# Altium PCB MotorDriverV2.PcbDoc (part 1 of 2) (continued)
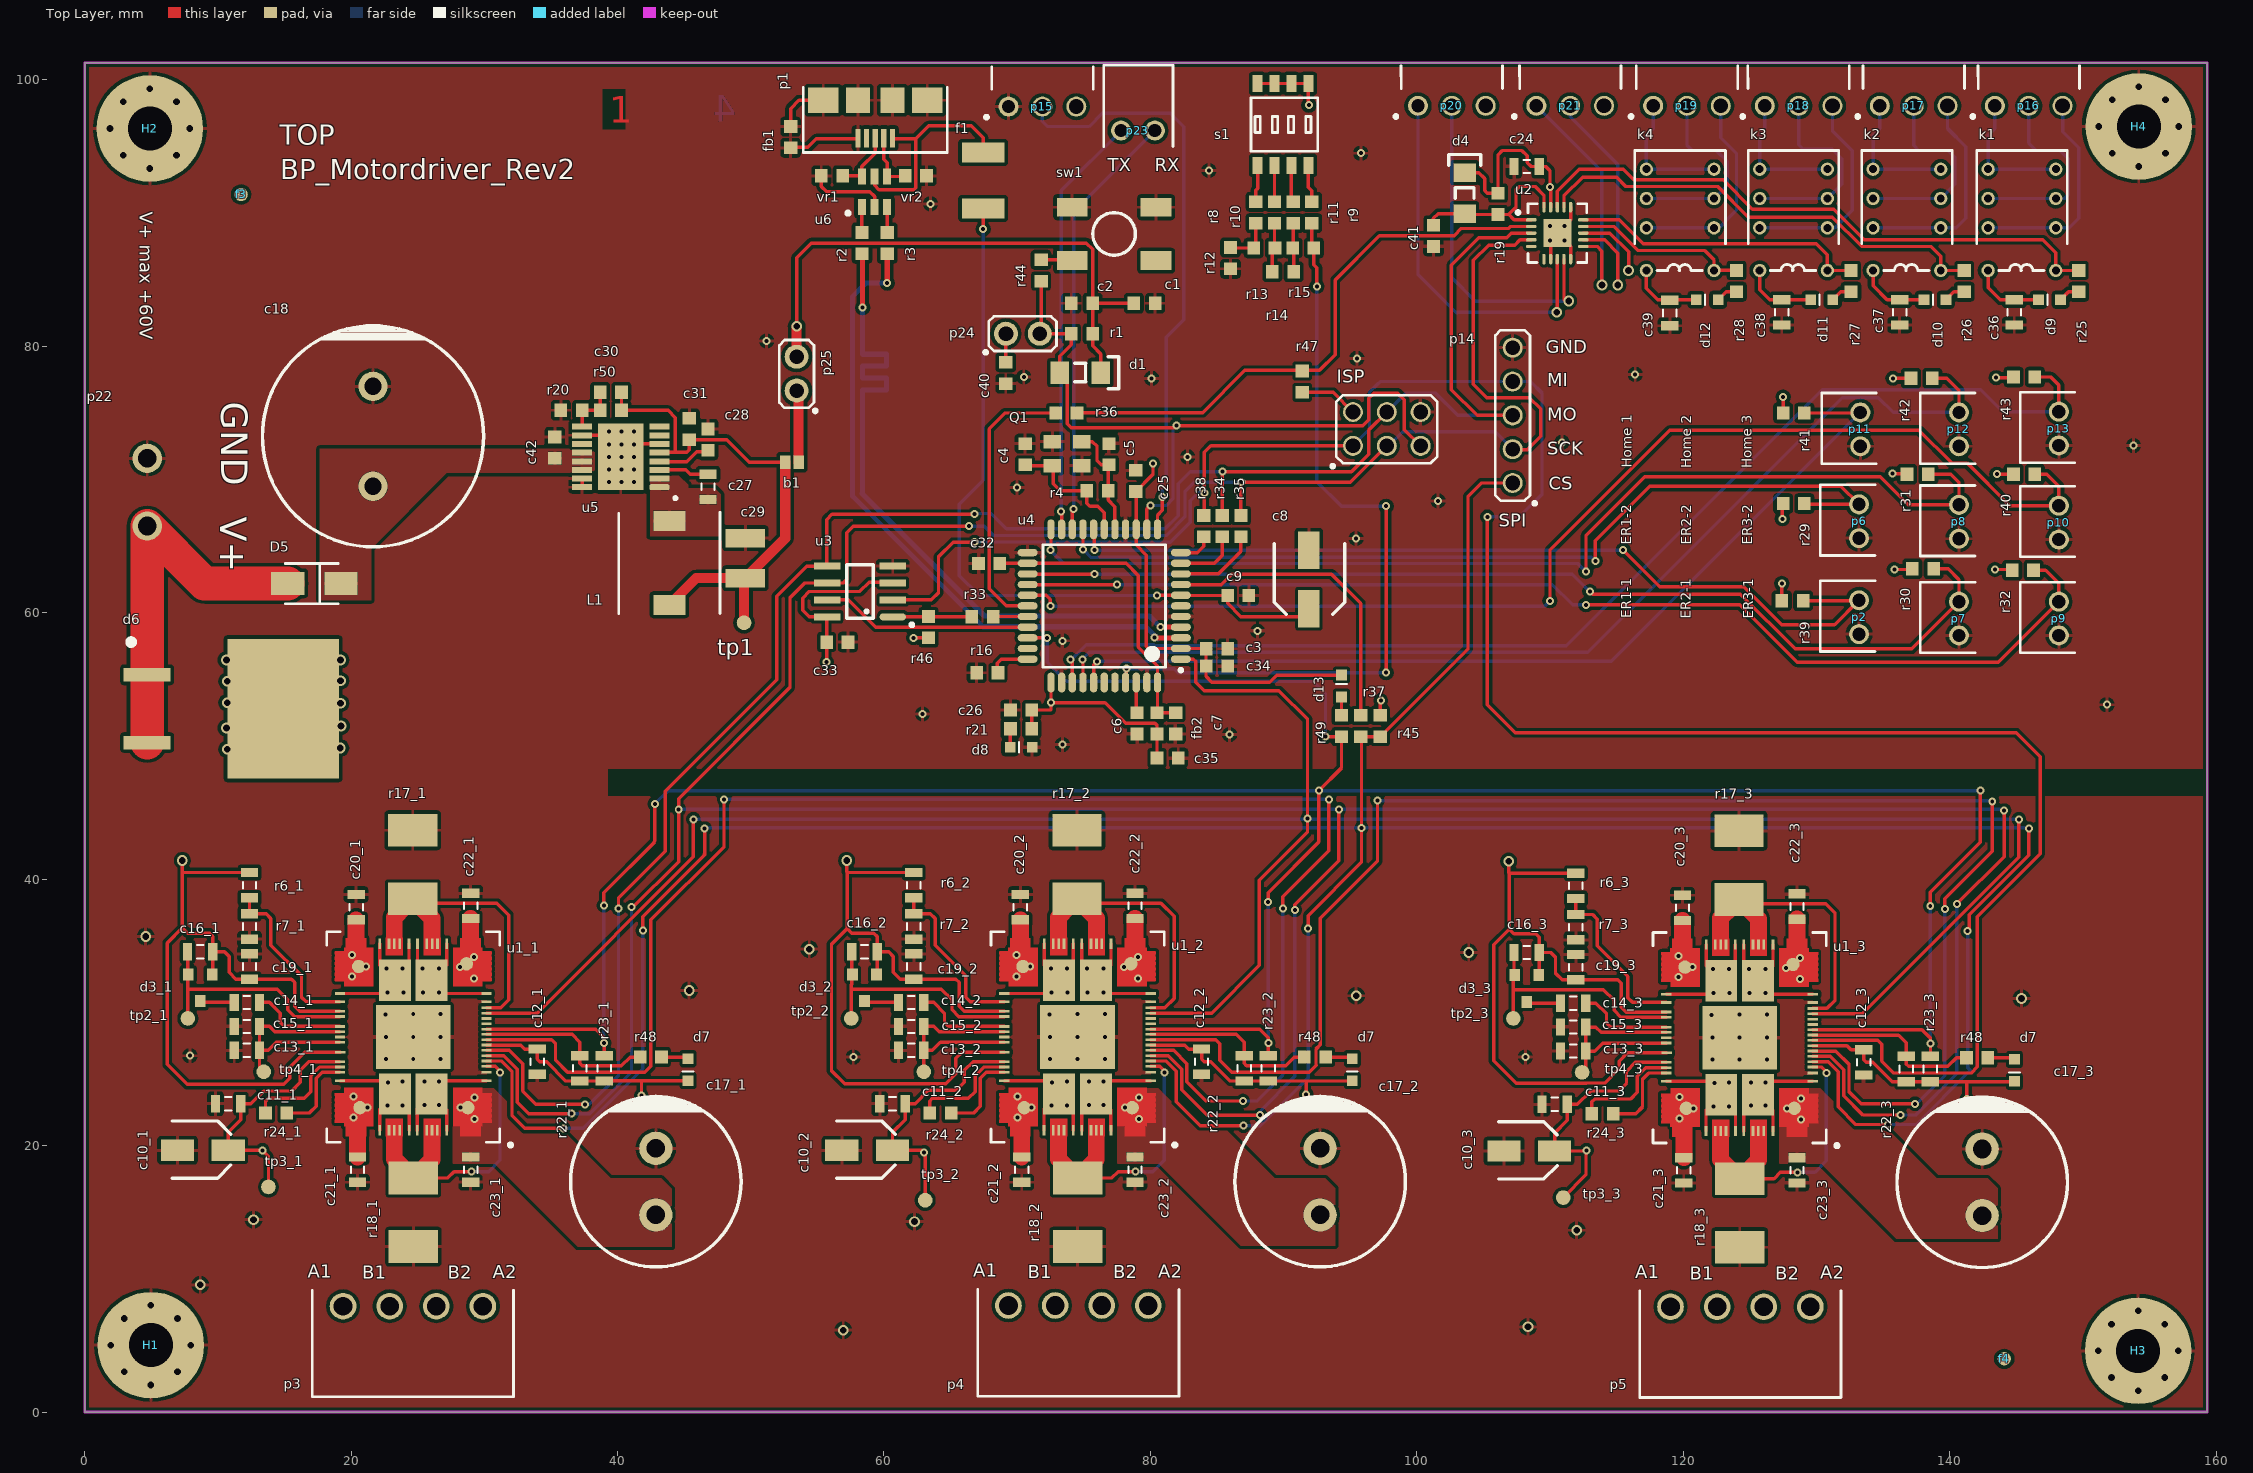
[diagram p0: Top Layer view]
## Footprints (in the part's own frame and the unit in brackets; to place one, negate y for a bottom-side part, rotate by r counter-clockwise, add the part's x,y. Pads: shape width x height; smd on the part's side, far side on the other; paste and mask are expansions set on the pad) (continued)
  oval 0.55x1.5 smd: 12(-4,-5.75) 13(-3.2,-5.75) 14(-2.4,-5.75) 15(-1.6,-5.75) 16(-0.8,-5.75) 17(0,-5.75) 18(0.8,-5.75) 19(1.6,-5.75) 20(2.4,-5.75) 21(3.2,-5.75) 22(4,-5.75) 34(4,5.75) 35(3.2,5.75) 36(2.4,5.75) 37(1.6,5.75) 38(0.8,5.75) 39(0,5.75) 40(-0.8,5.75) 41(-1.6,5.75) 42(-2.4,5.75) 43(-3.2,5.75) 44(-4,5.75)
  silkscreen extent -5.88,-4.6 4.6,4.95, body extent -6,-6 6,6, height 1.2
VFQFPN [mm]
  rect 0.78x0.2 smd: 7(-5.5,3.27) 8(-5.5,2.65) 9(-5.5,2.2) 10(-5.5,1.8) 11(-5.5,1.4) 12(-5.5,1) 13(-5.5,0.6) 14(-5.5,0.2) 15(-5.5,-0.2) 16(-5.5,-0.6) 17(-5.5,-1) 18(-5.5,-1.4) 19(-5.5,-1.8) 20(-5.5,-2.2) 21(-5.5,-2.65) 22(-5.5,-3.27) 53(5.5,-3.27) 54(5.5,-2.65) 55(5.5,-1.93) 56(5.5,-1.54) 57(5.5,-0.8) 58(5.5,-0.4) 59(5.5,0) 60(5.5,0.4) 61(5.48,1.13) 62(5.5,1.85) 63(5.5,2.25) 64(5.5,2.65) 65(5.5,3.27)
  rect 0.2x0.78 smd: 33(-2.51,-7) 34(-1.82,-7) 35(-1.42,-7) 36(-1.01,-7) 37(-0.32,-7) 38(0.32,-7) 39(1.02,-7) 40(1.42,-7) 41(1.82,-7) 42(2.51,-7) 76(2.52,7) 77(1.82,7) 78(1.42,7) 79(1.02,7) 80(0.31,7) 81(-0.31,7) 82(-1.01,7) 83(-1.41,7) 84(-1.8,7) 85(-2.51,7)
  round 1 smd mask+0: 91(-4.1,5.3) 92(-4,-5.5) 95(4.1,-5.3) 96(4,5.3)
  rect 2.4x3.1 smd: 93(-1.38,-4.27) 94(1.38,-4.27) 97(1.38,4.27) 98(-1.38,4.27)
  rect 5.6x4.8 smd: 99(0,0)
  Top Layer region: 5.85,4.2 5.18,4.2 5.18,3.81 2.99,3.81 2.99,6.7 3.54,6.7 3.54,7.43 5.07,7.43 5.07,6.7 5.19,6.7 5.19,6.43 5.85,6.43
  Top Layer region: -5.85,4.2 -5.18,4.2 -5.18,3.81 -2.99,3.81 -2.99,6.7 -3.54,6.7 -3.54,7.43 -5.07,7.43 -5.07,6.7 -5.19,6.7 -5.19,6.43 -5.85,6.43
  Top Layer region: 5.85,-4.2 5.18,-4.2 5.18,-3.81 2.99,-3.81 2.99,-6.7 3.54,-6.7 3.54,-7.43 5.07,-7.43 5.07,-6.7 5.19,-6.7 5.19,-6.43 5.85,-6.43
  Top Layer region: -5.845,-6.42 -5.885,-6.42 -5.885,-6.22 -5.845,-6.22 -5.845,-6.02 -5.885,-6.02 -5.885,-5.82 -5.845,-5.82 -5.845,-5.62 -5.885,-5.62 -5.885,-5.42 -5.845,-5.42 -5.845,-5.22 -5.885,-5.22 -5.885,-5.02 -5.845,-5.02 -5.845,-4.82 -5.885,-4.82 -5.885,-4.62 -5.845,-4.62 -5.845,-4.42 -5.885,-4.42 -5.885,-4.22 -5.865,-4.22 -5.845,-4.2
  Top Layer region: 5.85,-4.22 5.89,-4.22 5.89,-4.42 5.85,-4.42 5.85,-4.62 5.89,-4.62 5.89,-4.82 5.85,-4.82 5.85,-5.02 5.89,-5.02 5.89,-5.23 5.85,-5.23 5.85,-5.42 5.89,-5.42 5.89,-5.62 5.85,-5.62 5.85,-5.82 5.89,-5.82 5.89,-6.02 5.85,-6.02 5.85,-6.22 5.89,-6.22 5.89,-6.42 5.87,-6.42 5.85,-6.43
  Top Layer region: -5.845,4.22 -5.885,4.22 -5.885,4.42 -5.845,4.42 -5.845,4.62 -5.885,4.62 -5.885,4.82 -5.845,4.82 -5.845,5.02 -5.885,5.02 -5.885,5.22 -5.845,5.22 -5.845,5.42 -5.885,5.42 -5.885,5.62 -5.845,5.62 -5.845,5.82 -5.885,5.82 -5.885,6.02 -5.845,6.02 -5.845,6.22 -5.885,6.22 -5.885,6.42 -5.865,6.42 -5.845,6.43
  Top Layer region: 5.85,6.42 5.89,6.42 5.89,6.22 5.85,6.22 5.85,6.02 5.89,6.02 5.89,5.82 5.85,5.82 5.85,5.62 5.89,5.62 5.89,5.42 5.85,5.42 5.85,5.22 5.89,5.22 5.89,5.02 5.85,5.02 5.85,4.82 5.89,4.82 5.89,4.62 5.85,4.62 5.85,4.42 5.89,4.42 5.89,4.22 5.87,4.22 5.85,4.2
  Top Layer region: -0.79,6.14 -2.05,6.14 -2.05,7.44 -0.79,7.44
  Top Layer region: 2.05,6.14 0.79,6.14 0.79,7.44 2.05,7.44
  Top Layer region: 2.05,-7.44 0.79,-7.44 0.79,-6.14 2.05,-6.14
  Top Layer region: -0.79,-7.44 -2.05,-7.44 -2.05,-6.14 -0.79,-6.14
  Top Layer region: -5.85,-4.2 -5.18,-4.2 -5.18,-3.81 -2.99,-3.81 -2.99,-6.7 -3.54,-6.7 -3.54,-7.43 -5.07,-7.43 -5.07,-6.7 -5.19,-6.7 -5.19,-6.43 -5.85,-6.43
  silkscreen extent -7.44,-7.9 6.5,8.24, body extent -5.5,-7 5.5,6.99, height 0.9
WtB-F-2p [mm]
  round 1.5 hole 1: 1(0,0) 2(2.54,0)
  silkscreen extent -1.3,-1.2 3.9,4.9, body extent -1.16,-1.38 3.92,13.05, height 6.02
WtB-F-2p_V [mm]
  round 1.5 hole 1: 1(0,0) 2(2.54,0)
  silkscreen extent -1.3,-1.2 4,2.9, body extent -1.18,-3.2 3.9,2.6, height 11.45
WtB-F-4p [mm]
  round 2 hole 1.4: 1(-5.25,0) 2(-1.75,0) 3(1.75,0) 4(5.25,0)
  silkscreen extent -7.55,-1.2 7.55,6.8
X32 [mm] "Crystal Oscillator X32 Package, 3.2x2.5"
  rect 1.3x1 smd: 1(-1.1,-0.9) 2(1.1,-0.9) 3(1.1,0.9) 4(-1.1,0.9)
  body extent -1.6,-1.25 1.6,1.25, height 0.91

## Part data
c1 c2 c3 c4 c5 c6 c7 c9 c25 c26 c28 c30 c31 c32 c33 c34 c35 c40 c41 c42: library part "0603 Capacitor", "...F"
c8: library part "Elco C"
c10_1 c10_2 c10_3: library part "Elco B"
c11_1 c11_2 c11_3 c12_1 c12_2 c12_3 c13_1 c13_2 c13_3 c14_1 c14_2 c14_3 c15_1 c15_2 c15_3 c16_1 c16_2 c16_3 c19_1 c19_2 c19_3 c20_1 c20_2 c20_3 c21_1 c21_2 c21_3 c22_1 c22_2 c22_3 c23_1 c23_2 c23_3 c24 c27 c36 c37 c38 c39: library part "0805 Capacitor", "...F"
c17_1 c17_2 c17_3: library part "Elco TH d12.5", "d = 12.5mm"
c18: library part "Elco TH d16", "d = 16mm"
c29: library part "1210 Capacitor", "C1210C107M8PACTU"
d1 d4: "Switching Chip Diode"
D5: "Schottky Rectifier"
d6: "Schottky Diode 10A"
d7 d7 d7 d8 d9 d10 d11 d12 d13: "0603 Package"
f1: library part "MF-MSMF Fuse", "Style 1"
ISP: library part "2x3 Header", "Header Pin"
k1 k2 k3 k4: "Standard THT Package"
L1: library part SRR0735A-180M, "Shielded Power Inducor"
p1: "SMD"
p3 p4 p5: library part "Wire-to-Board connector 4 contacts", "Wire-to-Board connector"
p14: library part "5 Pin Header"
p15: library part "Wire-to-Board 3 Pin"
p22: "Wire-to-board connection"
p25: library part "2 Pin Header", "2 Pin Header"
Q1: "X32"
r1 r2 r3 r4 r8 r9 r10 r11 r12 r13 r14 r15 r16 r19 r20 r21 r24_1 r24_2 r24_3 r25 r26 r27 r28 r29 r30 r31 r32 r33 r34 r35 r36 r37 r38 r39 r40 r41 r42 r43 r44 r45 r46 r47 r48 r48 r48 r49 r50: library part "0603 Resistor", "...R"
r6_1 r6_2 r6_3 r7_1 r7_2 r7_3 r22_1 r22_2 r22_3 r23_1 r23_2 r23_3: library part "0805 Resistor", "...R"
r17_1 r17_2 r17_3 r18_1 r18_2 r18_3: library part "2512 Resistor", "..R"
s1: "Dipswitch 4 way"
sw1: "Push button"
u1_1 u1_2 u1_3: "VFQFPN"
u2: "20 TQFN-EP"
u3: library part FM25W256, "256-Kbit (32Kx8) Serial SPI F-RAM"
u6: "SOT23-6 ESD"
vr1 vr2: "5V, 8V Varistor - 0603"

## Via types
v1: diameter 0.6, hole 0.3, Top Layer to Bottom Layer, tented both sides, 130 vias
v2: diameter 0.6, hole 0.3, Top Layer to Bottom Layer, 115 vias
v3: diameter 0.8, hole 0.5, Top Layer to Bottom Layer, 32 vias
v4: diameter 0.8, hole 0.5, Top Layer to Bottom Layer, tented both sides, 31 vias
v5: diameter 0.8, hole 0.3, Top Layer to Bottom Layer, 15 vias

## Nets (pads, with @x,y where several pads share a name; then routed paths per layer and width w, separated by ;. In a path a pad name is that pad's centre, name@x,y a point inside that pad or via, vN(x,y) a via of type N, cw(c..) or ccw(c..) an arc to the next point about the centre after c; other vN are vias at no path point)
3v3: c1.1 c2.1 c3.1 c24.1 c25.1 c26.1 c33.2 c34.1 c35.1 c36.2 c37.2 c38.2 c39.2 d1.1 d4.1 d9.1 d10.1 d11.1 d12.1 d13.1 fb2.1 ISP.2 k1.8 k2.8 k3.8 k4.8 p15.3 p20.3 p21.3 p25.2 r1.2 r19.2 r21.2 r29.2 r30.2 r31.2 r32.2 r39.2 r40.2 r41.2 r42.2 r43.2 r45.2 r46.2 r47.2 s1.5 s1.6 s1.7 s1.8 u2.13 u2.19 u3.3 u3.8 u4.2 u4.14 u4.34 | length 169.2
  Top Layer w0.254: v4(53.45,81.5) 53.45,86.65 54.55,87.75 75.2,87.75 75.665,87.285 c2.1@75.665,83.237 ; v1(55.7,56.3) c33.2@55.7,57.8 55.7,59.66 u3.8@55.735,59.695 54.405,59.695 53.9,60.2 53.9,61.1 54.4,61.6 58.2,61.6 58.9,62.3 60.6,62.3 u3.3@60.665,62.235 ; v1(62.218,58.118) r46.2@63.35,58.118 ; r21.2@71.1,51.3 c26.1@71.1,52.7 72.542,52.7 u4.34@72.542,54.768 ; v1(72.55,53.25) 76.6,53.25 78.15,51.7 80.35,51.7 80.5,51.55 fb2.1@80.5,50.9 c35.1@80.5,49.35 ; d1.1@76.275,78.03 76.275,79.425 75.665,80.035 r1.2@75.665,80.951 c2.1@75.665,83.237 ; c1.1@78.764,83.237 c2.1@75.665,83.237 ; c25.1@78.8,69.1 78.942,68.958 u4.14@78.942,66.268 78.942,65.091 79.7,64.333 79.7,57.5 79.882,57.318 u4.2@82.292,57.318 84.182,57.318 84.182,55.218 84.6,54.8 88.95,54.8 89.475,55.325 d13.1@94.35,55.325 ; c25.1@78.9,69.1 80.2,70.4 v1(80.2,71.2) ; s1.8@88.051,99.73 s1.7@89.321,99.73 s1.6@90.591,99.73 s1.5@91.861,99.73 91.861,98.139 v1(91.9,98.1) ; r47.2@91.4,76.55 93.73,76.55 ISP.2@95.21,75.07 ; r45.2@97.25,52.3 97.25,53.35 v1(97.3,53.4) ; d4.1@103.6,93.037 104.663,93.037 105.1,92.6 105.1,91.7 105.3,91.5 r19.2@106.1,91.5 106.1,94.4 106.4,94.7 107.9,94.7 108.3,94.3 108.3,93.8 108.6,93.5 c24.1@109.2,93.5 109.7,93.5 110,93.2 v1(110,91.95) 110.05,91.9 u2.19@110.05,90.45 ; u2.13@112.5,88.5 114.5,88.5 115.9,87.1 v4(115.9,85.7) ; k4.8@117.236,85.697 117.236,84.364 118.1,83.5 d12.1@120.975,83.5 ; k3.8@125.745,85.697 125.745,84.255 126.5,83.5 d11.1@129.575,83.5 ; r39.2@127.4,60.9 v1(127.4,62.2) ; v1(127.45,67.05) 127.45,68.15 r29.2@127.5,68.2 ; r41.2@127.5,75 v1(127.5,76.2) ; k2.8@134.254,85.697 134.254,84.546 135.3,83.5 c37.2@136.25,83.5 d10.1@138.075,83.5 ; v1(135.7,70.45) 136.75,70.45 r31.2@136.8,70.4 ; v1(135.75,77.6) r42.2@137.1,77.6 ; v1(135.85,63.25) 137.15,63.25 r30.2@137.2,63.3 ; k1.8@142.89,85.697 142.89,84.41 143.8,83.5 c36.2@144.85,83.5 d9.1@146.675,83.5 ; v1(143.4,63.25) 144.65,63.25 r32.2@144.7,63.2 ; v1(143.5,77.65) 144.75,77.65 r43.2@144.8,77.7 ; v1(143.55,70.4) r40.2@144.8,70.4
  Top Layer w0.762: p25.2@53.45,79.22 v4(53.45,81.5)
CS0: p14.1 r37.1 r45.1 u1_1.10 u1_2.10 u1_3.10 | length 244.1
  Top Layer w0.254: u1_1.10@30.17,26.35 31.33,26.35 32.08,25.6 32.08,22.27 33.051,21.299 v1(35.95,21.299) ; v1(41.9,36.15) 41.9,37.187 46.55,41.837 46.5,41.887 46.55,41.937 v1(46.55,43.8) ; u1_2.10@80.036,26.35 81.196,26.35 81.946,25.6 81.946,23.304 83.75,21.5 v1(87,21.5) ; v1(91.846,36.3) 91.846,37.267 95.85,41.271 v1(95.85,43.85) 95.85,50.65 r37.1@95.8,50.7 r45.1@97.25,50.7 103.85,57.3 103.85,68.75 104.84,69.74 p14.1@107.2,69.74 ; u1_3.10@129.736,26.3 130.896,26.3 131.646,25.55 131.646,22.904 132.965,21.585 v1(135.377,21.585) ; v1(141.35,36.1) 141.481,36.231 141.481,37.344 145.95,41.813 v1(145.95,43.8)
  Bottom Layer w0.254: v1(35.95,21.299) 37.419,21.299 41.9,25.78 v1(41.9,36.15) ; v1(46.55,43.8) 46.6,43.85 v1(95.85,43.85) 145.9,43.85 v1(145.95,43.8) ; v1(87,21.5) 88.244,21.5 91.846,25.102 v1(91.846,36.3) ; v1(135.377,21.585) 137.481,21.585 141.546,25.65 141.35,25.846 v1(141.35,36.1)
CS1: r36.1 r47.1 u2.2 | length 43.2
  Top Layer w0.254: r36.1@74.5,75 74.529,75.029 83.929,75.029 87.1,78.2 92.7,78.2 93.882,79.382 93.882,84.982 97.2,88.3 102.8,88.3 103.35,88.85 106.9,88.85 107.05,89 u2.2@108.6,89
CS_FRAM: r33.1 r46.1 u3.1 | length 5.9
  Top Layer w0.254: u3.1@60.665,59.695 60.67,59.7 r33.1@66.6,59.7
ERC0: p2.2 r39.1 u4.18 | length 66.2
  Top Layer w0.254: u4.18@75.742,66.268 75.8,66.21 v1(75.8,64.7) ; v1(115.5,64.7) 118.244,61.956 124.547,61.956 127.403,59.1 131.36,59.1 133.16,60.9 r39.1@129,60.9
  Bottom Layer w0.254: v1(75.8,64.7) v1(115.5,64.7)
ERC1: p6.2 r29.1 u4.19 | length 68
  Top Layer w0.254: v1(74.942,64.758) u4.19@74.942,66.268 ; v1(113.4,63.9) 113.4,65.4 117.5,69.5 131.84,69.5 p6.2@133.2,68.14 129.16,68.14 r29.1@129.1,68.2
  Bottom Layer w0.254: v1(74.942,64.758) 74.959,64.758 75.571,64.146 76.029,64.146 76.055,64.171 113.1,64.171 113.371,63.9 v1(113.4,63.9)
ERC2: p7.2 r30.1 u4.25 | length 77.6
  Top Layer w0.254: u4.25@70.792,62.918 70.81,62.9 v1(75.8,62.9) ; v1(113,61.6) 113.2,61.4 124.3,61.4 128.4,57.3 137.16,57.3 p7.2@140.7,60.84 140.7,62.5 139.9,63.3 r30.1@138.8,63.3
  Bottom Layer w0.254: v1(75.8,62.9) 111.664,62.9 112.964,61.6 v1(113,61.6)
ERC3: p8.2 r31.1 u4.22 | length 80.1
  Top Layer w0.254: v1(72.5,64.7) 72.542,64.742 u4.22@72.542,66.268 ; v1(112.7,63.1) 112.7,65.8 117.1,70.2 134.8,70.2 136.9,68.1 p8.2@140.7,68.1 140.7,69.8 140.1,70.4 r31.1@138.4,70.4
  Bottom Layer w0.254: v1(72.5,64.7) 73.5,63.7 112.1,63.7 v1(112.7,63.1)
ERC4: p9.2 r32.1 u4.26 | length 85.4
  Top Layer w0.254: u4.26@70.792,62.118 v1(77.482,62.118) ; v1(112.7,60.6) 124.25,60.6 128.55,56.3 143.66,56.3 p9.2@148.2,60.84 148.2,62.2 147.2,63.2 r32.1@146.3,63.2
  Bottom Layer w0.254: v1(77.482,62.118) 110.182,62.118 111.7,60.6 v1(112.7,60.6)
ERC5: p10.2 r40.1 u4.27 | length 91.7
  Top Layer w0.254: u4.27@70.792,61.318 72.182,61.318 72.5,61 v1(72.5,60.5) ; v1(110,60.9) 110,64.7 119,73.7 137.69,73.7 140.143,71.247 141.303,71.247 144.51,68.04 p10.2@148.2,68.04 148.2,69.5 147.3,70.4 r40.1@146.4,70.4
  Bottom Layer w0.254: v1(72.5,60.5) 109.6,60.5 v1(110,60.9)
F\L\A\G\: r23_1.2 r23_2.2 r23_3.2 r49.2 u1_1.16 u1_2.16 u1_3.16 u4.31 | length 226.2
  Top Layer w0.254: u1_1.16@30.17,28.75 38.362,28.75 39,28.112 v1(39,27.7) r23_1.2@39,26.75 ; v1(38.98,38.035) 38.98,38.991 42.78,42.791 42.75,42.821 42.8,42.871 v1(42.8,45.65) ; u4.31@70.792,58.118 72.232,58.118 v1(72.25,58.1) ; u1_2.16@80.036,28.75 88.228,28.75 88.866,28.112 v1(88.866,27.7) r23_2.2@88.866,26.75 ; v1(88.85,38.3) 88.85,38.987 88.846,38.991 92.65,42.795 v1(92.65,46.65) 94.35,48.35 r49.2@94.35,50.7 v1(93.15,50.7) ; u1_3.16@129.736,28.7 137.928,28.7 138.566,28.062 v1(138.566,27.65) r23_3.2@138.566,26.7 ; v1(138.546,37.985) 138.546,39.033 142.3,42.787 v1(142.3,46.65)
  Bottom Layer w0.254: v1@38.98,27.7 v1(38.98,38.035) ; v1(42.8,45.65) 43.8,46.65 v1(92.65,46.65) v1(142.3,46.65) ; v1(72.25,58.1) 72.25,56.3 73.7,54.85 92.2,54.85 93.15,53.9 v1(93.15,50.7) ; v1@88.846,27.7 88.85,27.704 v1(88.85,38.3) ; v1@138.546,27.65 v1(138.546,37.985)
FRAM_H\O\L\D\: u3.7 u4.30 | length 15.9
  Top Layer w0.254: u3.7@55.735,60.965 57.335,60.965 59.382,58.918 u4.30@70.792,58.918
GND: c1.2 c2.2 c3.2 c4.2 c5.2 c6.1 c7.2 c8.1 c9.2 c10_1.1 c10_2.1 c10_3.1 c11_1.1 c11_2.1 c11_3.1 c12_1.2 c12_2.2 c12_3.2 c13_1.1 c13_2.1 c13_3.1 c15_1.1 c15_2.1 c15_3.1 c17_1.1 c17_2.1 c17_3.1 c18.1 c19_1.1 c19_2.1 c19_3.1 c20_1.2 c20_2.2 c20_3.2 c21_1.2 c21_2.2 c21_3.2 c22_1.2 c22_2.2 c22_3.2 c23_1.2 c23_2.2 c23_3.2 c24.2 c25.2 c26.2 c28.1 c29.1 c31.1 c32.2 c33.1 c34.2 c35.2 c36.1 c37.1 c38.1 c39.1 c40.1 c41.1 c42.1 d8.2 fb1.1 fb1.2 H1.0 H2.0 H3.0 H4.0 ISP.6 p1.5 p1.6 p2.1 p6.1 p7.1 p8.1 p9.1 p10.1 p11.1 p12.1 p13.1 p14.5 p15.1 p22.2 Q1.2 Q1.4 r7_1.1 r7_2.1 r7_3.1 r12.2 r16.1 r17_1.1 r17_2.1 r17_3.1 r18_1.1 r18_2.1 r18_3.1 r20.1 sw1.3 sw1.4 u1_1.8 u1_1.21 u1_1.59 u1_1.99 u1_2.8 u1_2.21 u1_2.59 u1_2.99 u1_3.8 u1_3.21 u1_3.59 u1_3.99 u2.7 u2.10 u2.16 u2.21 u3.4 u4.5 u4.15 u4.23 u4.35 u4.43 u5.6 u5.10 u5.15 u5.16 u5.17 u6.2 vr1.1 vr2.1 | length 31.4
  Top Layer w0.254: u5.16@37.35,69.425 u5.15@37.35,70.075 ; u5.10@37.35,73.325 38.625,73.325 u5.17@40.25,71.7 ; u5.17@40.25,70.8 u5.17@40.25,71.7 ; u5.17@40.25,72.6 u5.17@40.25,71.7 ; u5.17@40.275,71.725 41.225,72.675 u5.6@43.15,72.675 ; fb1.1@53,94.95 54.3,94.95 54.93,95.58 p1.5@58.037,95.58 ; fb1.2@53,96.5 53,97.85 53.625,98.475 p1.6@55.45,98.475 ; vr1.1@55.3,92.8 55.3,92 55.7,91.6 58.95,91.6 59.3,91.25 u6.2@59.3,90.45 ; u2.7@110.05,86.55 110.05,88 u2.21@110.55,88.5 ; u2.10@111.55,86.55 111.55,87.5 u2.21@110.55,88.5 ; u2.16@111.55,90.45 111.55,89.5 v2(111.1,89.05) u2.21@110.55,88.5
  other v1: 57.7,26.65 108.15,26.65 7.9,26.75 73.4,50.1 85.95,50.85 62.9,52.4 151.8,53.1 73.4,57.9 88.052,58.646 95.443,65.578 101.6,68.4 70,69.4 82.8,71.7 153.8,72.55 110.9,72.8 80.1,77.6 70.5,77.7 116.4,77.9 95.5,79.1 51.2,80.4 63.5,90.7 84.4,93.2 95.8,94.5
  other v2: 122.186,26.45 124.236,26.45 126.286,26.45 22.62,26.5 24.67,26.5 26.72,26.5 72.486,26.5 74.536,26.5 76.586,26.5 122.186,28.1 124.236,28.1 126.286,28.1 22.62,28.15 24.67,28.15 26.72,28.15 72.486,28.15 74.536,28.15 76.586,28.15 122.136,29.8 22.57,29.85 72.436,29.85 124.236,29.85 126.286,29.85 24.67,29.9 26.72,29.9 74.536,29.9 76.586,29.9 110,87.95 111.1,87.95 110,89.05
  other v3: 154.15,1.6 4.973,2.027 152.15,2.6 156.15,2.6 2.973,3.027 6.973,3.027 151.15,4.6 157.15,4.6 1.973,5.027 7.973,5.027 152.15,6.6 156.15,6.6 2.973,7.027 6.973,7.027 154.15,7.6 4.973,8.027 4.9,93.35 154.2,93.5 2.9,94.35 6.9,94.35 152.2,94.5 156.2,94.5 1.9,96.35 7.9,96.35 151.2,96.5 157.2,96.5 2.9,98.35 6.9,98.35 152.2,98.5 156.2,98.5 4.9,99.35 154.2,99.5
  other v4: 56.95,6.15 108.35,6.4 8.68,9.55 112,13.65 62.3,14.3 12.68,14.45 145.4,31.05 95.45,31.25 45.38,31.65 103.9,34.5 54.4,34.75 4.58,35.7
  other v5: 39.35,69.8 40.3,69.8 41.25,69.8 39.35,70.75 40.3,70.75 41.25,70.75 39.35,71.7 40.3,71.7 41.25,71.7 39.35,72.65 40.3,72.65 41.25,72.65 39.35,73.6 40.3,73.6 41.25,73.6
Home0: p11.2 r41.1 u4.38 | length 70.9
  Top Layer w0.254: u4.38@75.742,54.768 75.742,56.092 v1(76,56.35) ; r41.1@129.1,75 133.26,75 p11.2@133.3,75.04
  Bottom Layer w0.254: v1(76,56.35) 76.004,56.354 114.614,56.354 p11.2@133.3,75.04
Home1: p12.2 r42.1 u4.37 | length 80.2
  Top Layer w0.254: v1(74.9,56.5) 74.942,56.458 u4.37@74.942,54.768 ; r42.1@138.7,77.6 139.8,77.6 140.7,76.7 p12.2@140.7,75.04
  Bottom Layer w0.254: v1(74.9,56.5) 75.429,57.029 112.829,57.029 131.95,76.15 134.65,76.15 135.76,75.04 p12.2@140.7,75.04
Home2: p13.2 r43.1 u4.36 | length 89.1
  Top Layer w0.254: v1(74,56.5) 74.142,56.358 u4.36@74.142,54.768 ; r43.1@146.4,77.7 147.6,77.7 148.2,77.1 p13.2@148.2,75.1
  Bottom Layer w0.254: v1(74,56.5) 74.1,56.5 75.2,57.6 80.252,57.6 ; 80.281,57.571 80.331,57.521 111.221,57.521 130.45,76.75 142.35,76.75 144,75.1 p13.2@148.2,75.1
M_Reset: u1_1.19 u1_2.19 u1_3.19 u4.1 | length 187.8
  Top Layer w0.254: u1_1.19@30.17,29.95 33.98,29.95 45.7,41.67 v1(45.7,44.5) ; u1_2.19@80.036,29.95 84.6,29.95 88.178,33.528 88.178,39.928 91.8,43.55 v1(91.8,44.55) 91.8,52 89.65,54.15 84.05,54.15 83.4,54.8 83.4,56.35 83.232,56.518 u4.1@82.292,56.518 ; u1_3.19@129.736,29.9 133.454,29.9 145.2,41.646 v1(145.2,44.5)
  Bottom Layer w0.254: v1(45.7,44.5) v1(145.2,44.5)
MOSI: ISP.4 p14.3 r34.1 u1_1.12 u2.3 u3.5 | length 147.5
  Top Layer w0.254: u1_1.12@30.17,27.15 31.88,27.15 32.88,26.15 32.88,24.1 33.88,23.1 v1(37.55,23.1) ; v1(40.08,37.8) 40.08,38.6 43.58,42.1 43.58,46.6 51.95,54.97 51.95,61.25 54.2,63.5 55.53,63.5 55.63,63.4 u3.5@55.735,63.505 ; u3.5@55.7,63.505 55.7,67 56.1,67.4 v1(66.8,67.4) ; r34.1@85.4,67.3 v1(85.4,70.6) 95.1,70.6 96.4,71.9 96.4,73.72 ISP.4@97.75,75.07 ; p14.3@107.2,74.82 104.53,74.82 102.6,76.75 102.6,86.1 104.65,88.15 106.75,88.15 107.1,88.5 u2.3@108.6,88.5
  Bottom Layer w0.254: v1(37.55,23.1) 37.88,23.1 40.08,25.3 v1(40.08,37.8) ; v1(66.8,67.4) 66.85,67.45 68.05,67.45 69.2,66.3 81.1,66.3 82.1,67.3 82.1,69.7 83,70.6 v1(85.4,70.6) ; ISP.4@97.75,75.07 99.18,76.5 101.4,76.5 103.08,74.82 p14.3@107.2,74.82
Netb1_2: b1.2 p25.1 | length 5.4
  Top Layer w0.762: p25.1@53.45,76.68 53.6,76.53 b1.2@53.6,71.3
Netc4_1: c4.1 Q1.3 r4.1 u4.17 | length 10
  Top Layer w0.254: c4.1@70.6,71.1 70.652,71.048 Q1.3@72.648,71.048 72.7,70.996 72.7,69.7 73.246,69.154 r4.1@75.234,69.154 75.234,68.234 75.468,68 76.042,68 76.542,67.5 u4.17@76.542,66.268
Netc5_1: c5.1 Q1.1 r4.2 u4.16 | length 8.5
  Top Layer w0.254: Q1.1@74.848,72.848 75.652,72.848 76,72.5 76,71.4 76.3,71.1 c5.1@76.9,71.1 76.834,71.034 r4.2@76.834,69.154 76.834,68.466 77.342,67.958 u4.16@77.342,66.268